# Altium PCB SmartHaloV1_ASCII.PcbDoc (part 2 of 4) (continued)
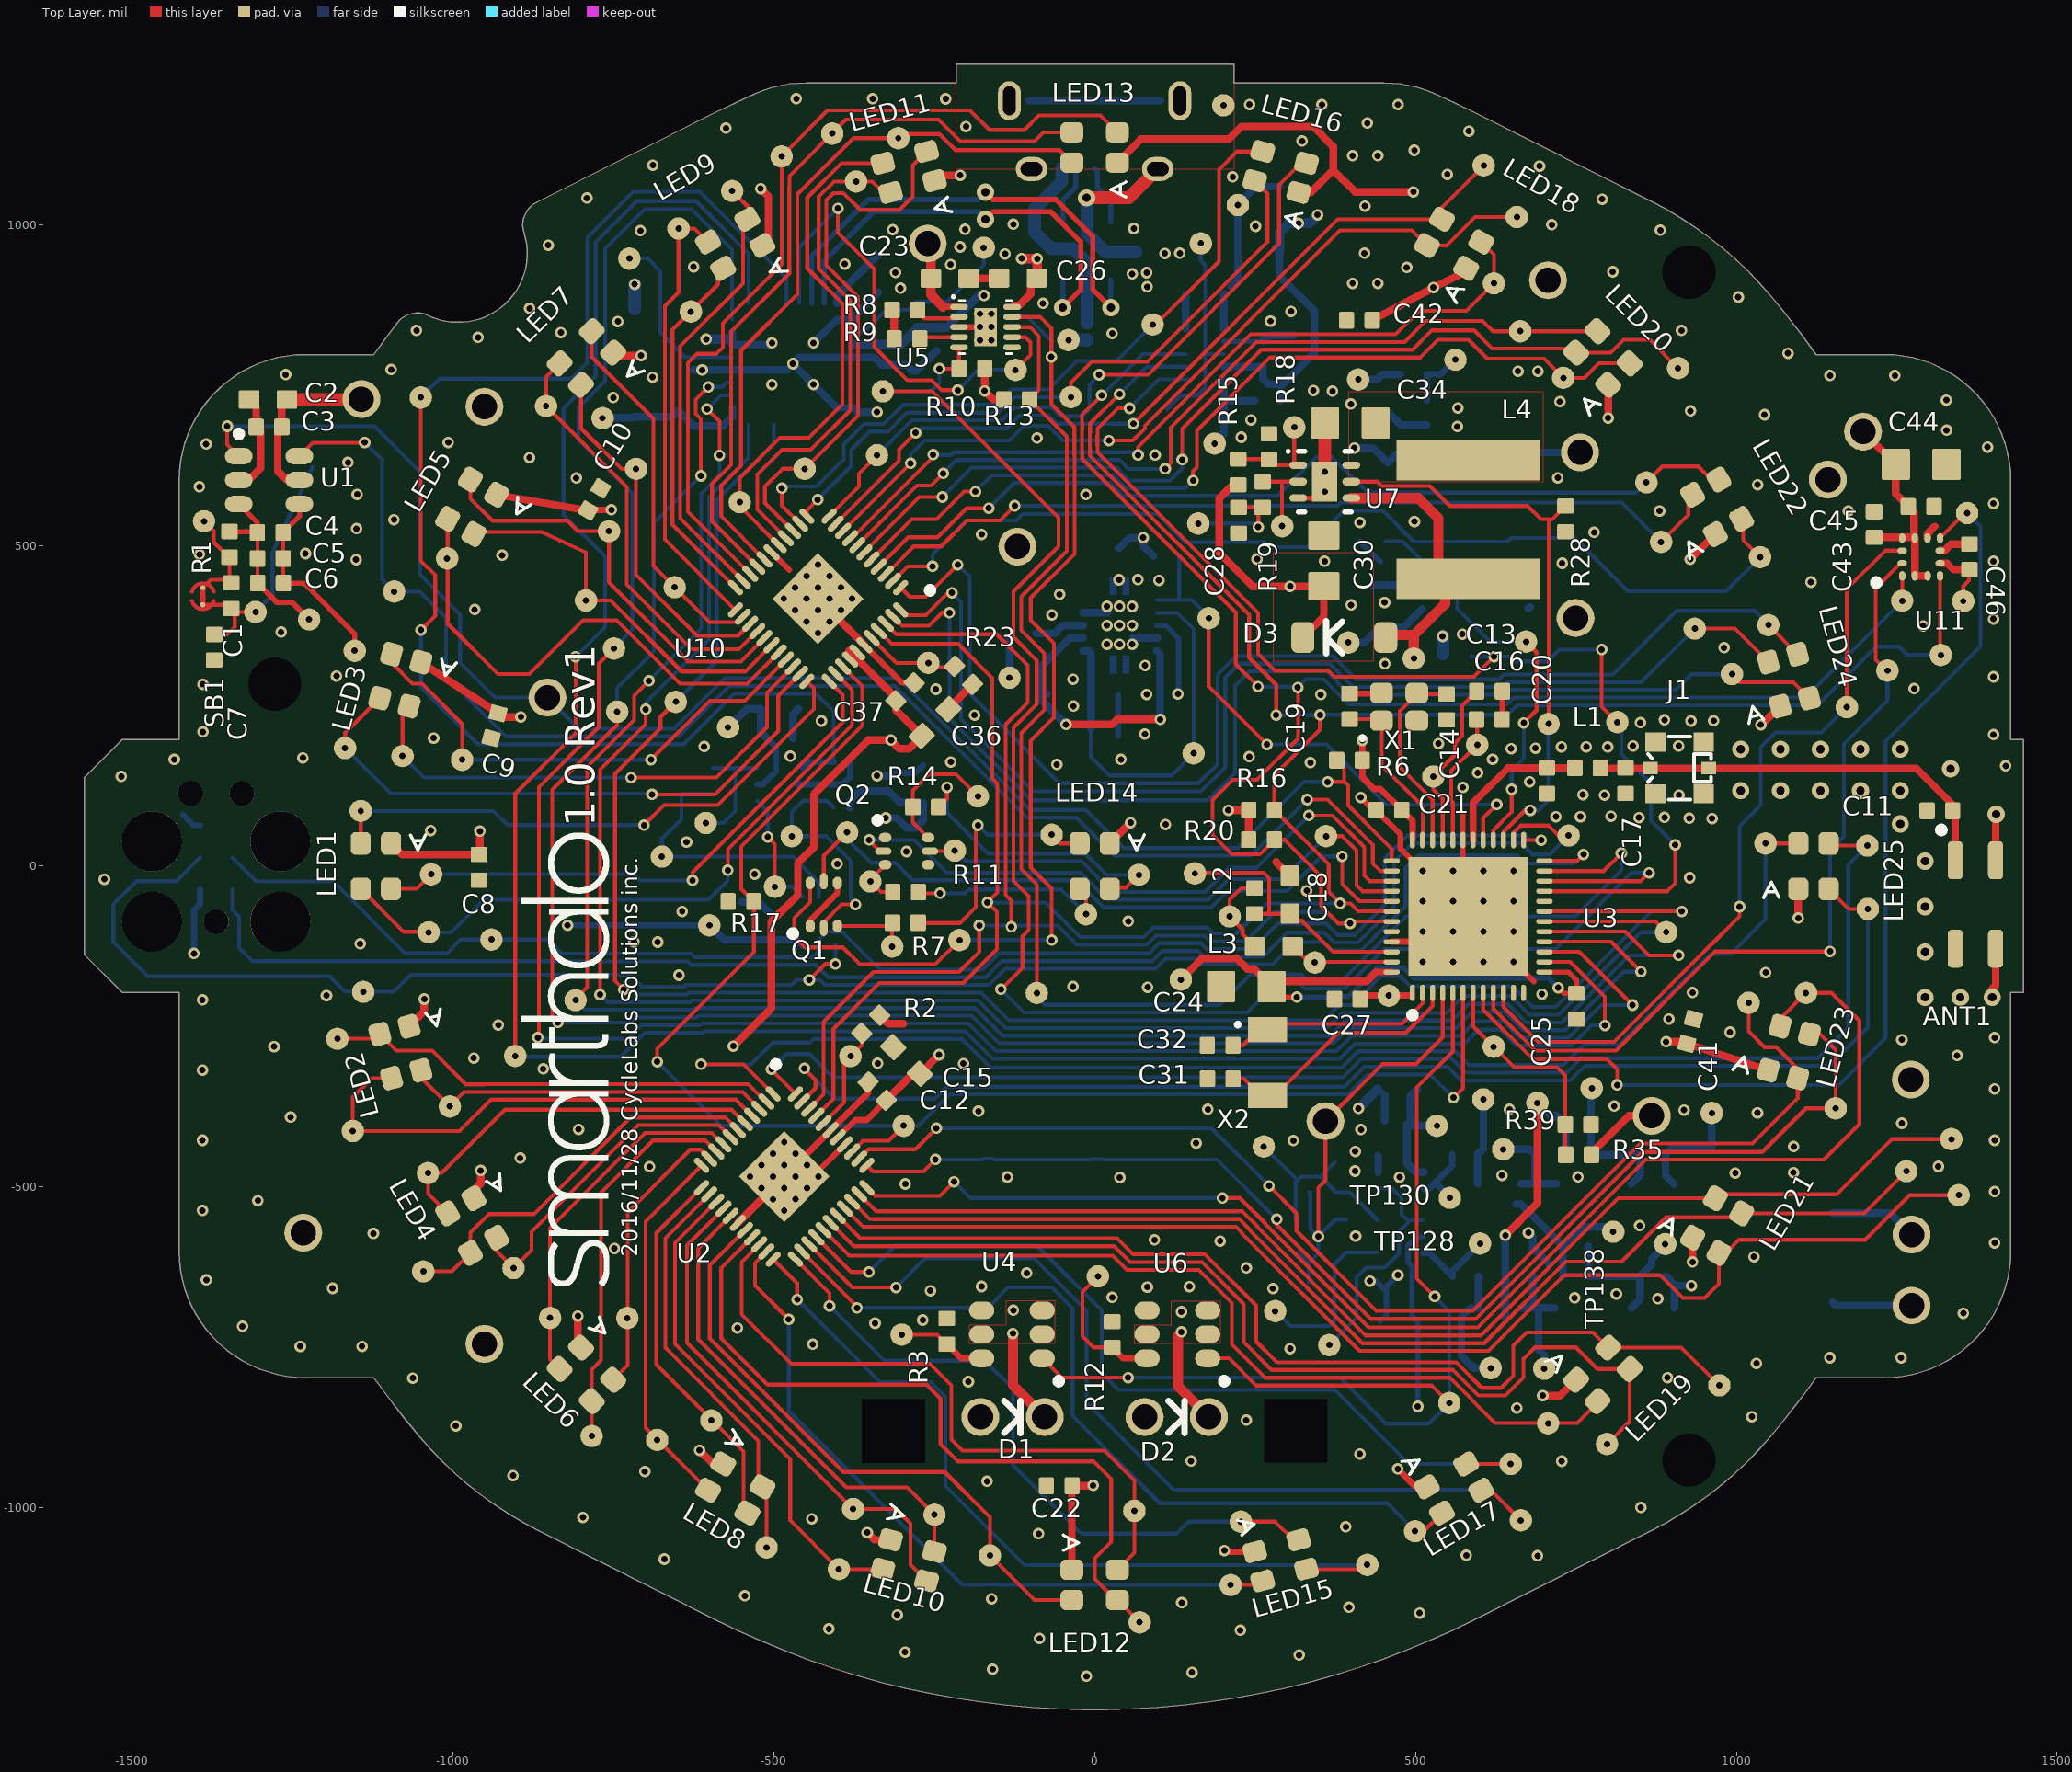
[diagram p0: Top Layer view]
## Part data (continued)
Q1 Q2: "30 V, 200 mA dual N-channel Trench MOSFET"
Q3 Q4: "PNP SMT Transistor, Low VCESAT"
Q5 Q6 Q7 Q8: "NPN SMT Transistor, Low VCESAT"
R1: library part Varitron_RES0402, "2k 0.063W 5%  0402 (1005 Metric)  SMD"
R2 R23: library part Varitron_RES0402, "3k9 0.063W 5%  0402 (1005 Metric)  SMD"
R3 R12: library part Varitron_RES0402, "100R 0.1W 5%  0402 (1005 Metric)  SMD"
R4 R6 R17 R26 R28 R29 R30 R31: library part Varitron_RES0402, "100k 0.063W 5%  0402 (1005 Metric)  SMD"
R5 R21 R22 R25 R42 R43: library part Varitron_RES0402, "3k3 0.063W 5%  0402 (1005 Metric)  SMD"
R7: library part Varitron_RES0402, "160R 0.1W 5%  0402 (1005 Metric)  SMD"
R8: library part Varitron_RES0402, "560R 0.063W 5%  0402 (1005 Metric)  SMD"
R9 R34 R38: library part Varitron_RES0402, "1k 0.063W 5%  0402 (1005 Metric)  SMD"
R10 R13 R19 R32 R40 R41: library part Varitron_RES0402, "10k 0.063W 5%  0402 (1005 Metric)  SMD"
R11 R14: library part Varitron_RES0402, "110R 0.1W 5%  0402 (1005 Metric)  SMD"
R15: library part Varitron_RES0402, "510k 0.063W 5%  0402 (1005 Metric)  SMD"
R16 R20: library part Varitron_RES0402, "4k7 0.063W 5%  0402 (1005 Metric)  SMD"
R18: library part Varitron_RES0402, "33k 0.063W 5%  0402 (1005 Metric)  SMD"
R24 R27: library part Varitron_RES0402, "1k8 0.063W 5%  0402 (1005 Metric)  SMD"
R33 R36 R37 R39: library part Varitron_RES0402, "12k 0.063W 5%  0402 (1005 Metric)  SMD"
R35: library part Varitron_RES0402, "75k 0.063W 5%  0402 (1005 Metric)  SMD"
RSENSE1: library part Varitron_RES0805, "0R01 0.25W 1%  0805 (2012 Metric)  SMD"
RT1: "Thermistor NTC 0402, R0 10k, 1%, B 3490, SMD"
SB1: library part SOLDERBRIDGE_SHORTED, "Shorted Solderbridge"
TP1 TP4 TP12 TP13 TP14 TP15 TP17 TP20: library part TESTPAD_TH_35mils, "Testpoint, through hole, 35 mils"
TP2 TP3 TP5 TP6 TP7 TP8 TP9 TP10 TP11 TP16 TP18 TP19: library part TESTPAD_TH_1_5MM, "Testpoint, through hole, 1.5mm"
TP21 TP100 TP125 TP139 TP140: "Testpoint, through hole, 1.5mm"
TP22 TP23 TP24 TP25 TP26 TP27 TP28 TP29 TP30 TP31 TP32 TP33 TP34 TP35 TP36 TP37 TP38 TP39 TP40 TP41 TP42 TP43 TP44 TP45 TP46 TP47 TP48 TP49 TP50 TP51 TP52 TP53 TP54 TP55 TP56 TP57 TP58 TP59 TP60 TP61 TP62 TP63 TP64 TP65 TP66 TP67 TP68 TP69 TP70 TP71 TP72 TP73 TP74 TP75 TP76 TP77 TP78 TP79 TP80 TP81 TP82 TP83 TP84 TP85 TP86 TP87 TP88 TP89 TP90 TP91 TP92 TP93 TP94 TP95 TP96 TP97 TP98 TP99 TP101 TP102 TP103 TP104 TP105 TP106 TP107 TP108 TP109 TP110 TP111 TP112 TP113 TP114 TP115 TP116 TP117 TP118 TP119 TP120 TP121 TP122 TP123 TP124 TP126 TP127 TP128 TP129 TP130 TP131 TP132 TP133 TP134 TP135 TP136 TP137 TP138 TP141 TP142 TP143 TP144 TP145 TP146 TP147 TP148 TP149 TP150 TP151 TP152 TP153 TP154 TP155 TP156 TP157 TP158 TP159 TP160 TP161 TP162 TP163 TP164 TP165 TP166 TP167 TP168 TP169 TP170 TP171 TP172 TP173 TP174 TP175 TP176 TP177 TP178 TP179: "Testpoint, through hole, 35 mils"
U1: "One-channel Touch Sensor IC with Reset Timer, -40° to +85° C, 6-pin SOT23"
U2 U10: "IC 36 CHANNELS LED DRIVER"
U3: library part nRF52832_QFAA, "Multi-protocol Bluetooth Low Energy and 2.4GHz proprietary system-on-chip"
U4 U6: "10-TO-150MA CONSTANT-CURRENT LED DRIVER"
U5: "800 mA, Single-Input, Single Cell Li-Ion Battery Charger with Auto Start. Vovp=6.6 V, 3.5 V, -40 to 85 degC, 10-pin SON (DSQ), Green (RoHS & no Sb/Br)"
U7: "Boost Voltage Converter with 3 to 18 V Input and 3 to 38 V Output, -40 to 85 degC, 6-Pin SON (DRC), Green (RoHS & no Sb/Br)"
U8 U18 U19: "Dual Inverter Gate"
U9: "IC Dual Inverter with Schmitt Trigger Inputs"
U11: "IC 3D Accelerometer and 3D Magnetometer, LGA-12, 2 x 2 x 1 mm"
U12 U13: "200 mA Low Dropout Regulator, 2 - 5.5V Input, Fixed 2.8V Output"
U14: "IC Battery Fuel Gauge for 1-Cell Lithium-ion (Li+)"
U15: "Boost Voltage Converter with 0.3 to 5.5 V Input and 5 V Output, -40 to 85 degC, 10-Pin SON (DRC), Green (RoHS & no Sb/Br)"
U16: "IC USB TO UART BRIDGE 32QFN"
U17: "Very low capacitance ESD protection"
U20: "IC Gate NAND 1 Channel"
X1: "XTAL 32 MHz, 8pF, 3.2 x 1.5 mm, ±20 ppm Tol, ±200 ppm Drift"
X2: "XTAL 32.768 kHz, 9pF, 3.2 x 1.5 mm, ±20 ppm Tol, ±200 ppm Drift"

## Free pads (board coordinates)
  round 0 hole 82.68 unplated paste+0 mask+0: 0(-1277.49,283.53) 0(926.06,-925.55) 0(926.06,925.75)
  round 0 hole 98.43 square unplated: 0(-313.58,-880.31) 0(313.58,-880.24)

## Via types
v1: diameter 18, hole 10, Top Layer to Bottom Layer, 557 vias
v2: diameter 27, hole 13, Top Layer to Bottom Layer, 24 vias

## Nets (pads, with @x,y where several pads share a name; then routed paths per layer and width w, separated by ;. In a path a pad name is that pad's centre, name@x,y a point inside that pad or via, vN(x,y) a via of type N, cw(c..) or ccw(c..) an arc to the next point about the centre after c; other vN are vias at no path point)
ALARMB: R30.1 TP163.1 U3.21 U14.1 | length 1866.8
  Top Layer w6: v1(54.7,713.6) 36.3,713.6 4.7,682 4.7,671.06 4.4,670.76 4.4,655.84 4.7,655.54 4.7,644.7 254.6,394.8 254.6,331.2 281.2,304.6 364.1,304.6 373.8,294.9 590.8,294.9 v1(622.4,326.5) ; U3.21@700.99,-39.03 892.37,-39.03 904.7,-26.7 v1(904.7,33.2) ; v1@791.1,333.8 794.8,337.5 v1(790.1,337.5) 790.1,248.8 TP163.1@814.5,224.4
  Bottom Layer w6: v1(54.7,713.6) 99.86,758.76 U14.1@145,758.76 ; R30.1@586.9,326.5 v1(622.4,326.5) 646.9,326.5 654.2,319.2 705.8,319.2 724.1,337.5 v1(790.1,337.5) ; TP163.1@814.5,224.4 820.8,218.1 820.8,175 867.1,128.7 867.1,70.8 v1(904.7,33.2)
ANT: ANT1.1 C11.2 C17.2 J1.1 J1.3 L1.2 | length 660.7
  Top Layer w11.21: L1.2@788.3,153 J1.1@865.73,153 J1.3@957.07,153 ; J1.3@957.07,152.8 1280.08,152.8 1341.1,91.78 ANT1.1@1341.1,9.2
B\C\D\0\: Q1.2 TP114.1 U18.6 U19.3 | length 363.8
  Top Layer w6: Q1.2@-422.1,-96.12 -422.1,-87.4 -394.4,-59.7 v1(-372.6,-59.7)
  Bottom Layer w6: U18.6@-406.63,91.2 -417.33,101.9 U19.3@-454.9,101.9 -472,84.8 TP114.1@-472,46.7 -418.1,46.7 -379.9,8.5 -379.9,-52.4 v1(-372.6,-59.7)
BCD0: TP86.1 U16.12 U18.1 U19.1 | length 2237.2
  Top Layer w6: TP86.1@-1050.1,730.5 -1050.1,475.9 -1027.5,453.3 -1027.5,390.2 v1(-1049.8,367.9)
  Bottom Layer w6: TP86.1@-1050.1,730.5 -1020.7,759.9 -815.4,759.9 -790.98,784.32 -790.98,979.42 -719.1,1051.3 -615.2,1051.3 -480.24,916.34 U16.12@-480.24,877.59 ; v1(-1049.8,367.9) -1049.8,278.7 -961.3,190.2 -640.1,190.2 -561.3,269 -434.4,269 -406.63,241.23 U18.1@-406.63,162.2
  Bottom Layer w10: U19.1@-454.9,152.9 -445.6,162.2 U18.1@-406.63,162.2
BCD1: TP148.1 U5.7 U16.13 | length 757.7
  Top Layer w6: v1(-400.1,1025.2) -400.1,987.3 -343.5,930.7 -343.5,809.2 -291.8,757.5 -254.03,757.5 -238.33,741.8 v1(-213.2,741.8) ; U5.7@-128.66,824.45 -108.15,824.45 -100.2,816.5 -100.2,796.6 TP148.1@-123.4,773.4
  Bottom Layer w6: U16.13@-460.56,877.59 -460.56,964.74 v1(-400.1,1025.2) ; v1(-213.2,741.8) -181.6,773.4 -138.2,773.4 TP148.1@-127.7,783.9
BUS_DETECT: R36.1 R37.1 TP151.1 U16.5 | length 280.2
  Bottom Layer w6: TP151.1@-725,947 -696.3,947 -676.7,927.4 R36.1@-676.7,868.3 -676.7,831.4 R37.1@-676.3,831 -638.24,792.94 U16.5@-564.89,792.94
BZ_OUT_N: J2.1 Q3.1 Q3.2 Q3.5 Q3.6 Q7.1 Q7.2 Q7.5 Q7.6 TP140.1 | length 125.6
  Bottom Layer w12: J2.1@1149.84,-679.2 1155.54,-684.9 TP140.1@1273.1,-684.9
BZ_OUT_P: J3.1 Q4.1 Q4.2 Q4.5 Q4.6 Q8.1 Q8.2 Q8.5 Q8.6 TP139.1 | length 137
  Bottom Layer w12: J3.1@1149.84,-541 1239.9,-541 TP139.1@1273.1,-574.2
BZR: D4.1 D4.4 R24.2 R27.2 TP125.1 U3.4 | length 722.5
  Top Layer w6: v1(348.6,-577.2) 348.6,-501 359.7,-489.9 TP125.1@359.7,-397.4 448.4,-308.7 500.1,-308.7 542.53,-266.27 U3.4@542.53,-197.49
  Bottom Layer w6: D4.1@317.11,-602.04 333.62,-618.55 ; R27.2@333.62,-649.26 333.62,-618.55 ; R24.2@334.1,-508 335.95,-508 335.95,-564.55 v1(348.6,-577.2) ; D4.4@391.91,-550.85 374.94,-550.85 v1(348.6,-577.2) ; 333.62,-618.55 348.6,-603.58 v1(348.6,-577.2)
BZR_D_N: R40.2 TP130.1 U8.6 | length 110.1
  Bottom Layer w6: TP130.1@553.5,-516.9 TP130.1@553.5,-515.63
  Bottom Layer w10: U8.6@512.81,-502.37 521.63,-502.37 557,-467 R40.2@557,-448.9 ; 530.93,-493.07 TP130.1@553.5,-515.63
BZR_D_P: R41.2 TP128.1 U9.6 | length 131
  Bottom Layer w10: U9.6@511.65,-602.52 521.02,-602.52 R41.2@558.2,-639.7 558.2,-630.6 TP128.1@600.6,-588.2
C\H\G\: R13.2 TP150.1 U3.23 U5.8 | length 2347
  Top Layer w6: U5.8@-128.66,840.2 -100.9,840.2 -87,826.3 -87,741.8 R13.2@-101.4,727.4 -43.6,669.6 -43.6,491.1 -114.5,420.2 -114.5,367.6 -78.4,331.5 -78.4,243.4 -114.5,207.3 -114.5,-4.3 -90.1,-28.7 TP150.1@-90.1,-197.8 ; U3.23@700.99,-7.53 793.17,-7.53 v1(820.8,20.1)
  Bottom Layer w6: TP150.1@-96,-197.8 -77.6,-216.2 194.93,-216.2 242.33,-168.8 322.23,-168.8 330.63,-177.2 386.14,-177.2 396.46,-166.88 396.69,-166.88 485.47,-78.1 749.39,-78.1 820.8,-6.69 v1(820.8,20.1)
CAPIN: C1.1 C7.1 J6.1 J6.2 J6.3 J6.4 J6.5 J6.6 SB1.2 TP104.1 | length 390.4
  Top Layer w6: SB1.2@-1389.8,407.3 C1.1@-1351.4,407.3 ; C7.1@-1372.1,361.1 -1351.7,361.1 -1339.9,372.9 -1339.9,395.8 C1.1@-1340.2,396.1 ; C1.1@-1345.6,401.5 C1.1@-1340.2,396.1 ; TP104.1@-1307.7,396.1 C1.1@-1340.2,396.1
  Bottom Layer w6: TP104.1@-1307.7,396.1 -1281.2,422.6 -1281.2,488.73 J6.6@-1260.33,533.51 J6.5@-1252.01,551.35 J6.4@-1243.69,569.19 J6.3@-1235.37,587.03 -1227.05,604.86 J6.1@-1218.73,622.71
CATHODE_B: LED14.4 R14.2 TP99.1 | length 468.5
  Top Layer w6: R14.2@-243.3,92.2 -230,105.5 v1(-230,123.1) ; LED14.4@25.3,-37.11 29.11,-33.3 49.3,-33.3 TP99.1@69,-13.6
  Bottom Layer w6: v1(-230,123.1) -230,83.7 -165.9,19.6 -14.5,19.6 18.7,-13.6 TP99.1@69,-13.6
CATHODE_G: LED14.3 R11.2 TP105.1 | length 327.5
  Top Layer w6: R11.2@-274.6,-40.4 -276.4,-42.2 v1(-241,-42.2) ; LED14.3@-23.62,-35.43 -13.5,-45.56 TP105.1@-13.5,-74.9
  Bottom Layer w6: v1(-241,-42.2) -202.5,-42.2 -196.7,-36.4 -52,-36.4 TP105.1@-13.5,-74.9
CATHODE_R: LED14.2 R7.2 TP106.1 | length 399.2
  Top Layer w6: R7.2@-275,-88.2 -274.5,-88.7 -210,-88.7 -185.1,-63.8 -185.1,60.4 v1(-181.8,63.7) ; TP106.1@-67,49.1 -53.33,35.43 LED14.2@-23.62,35.43
  Bottom Layer w6: v1(-181.8,63.7) -167.2,49.1 TP106.1@-67,49.1
CENTRAL_B: Q2.2 TP109.1 U3.40 | length 990.7
  Top Layer w6: v1(-351.4,40.8) -351.4,40 -334.8,23.4 Q2.2@-329.42,23.4 ; TP109.1@360.5,46.7 386.12,46.7 408.2,24.62 408.2,-29.8 417.43,-39.03 U3.40@462.81,-39.03
  Bottom Layer w6: v1(-351.4,40.8) -281.2,40.8 -230.4,-10 -22.1,-10 20.1,-52.2 176.87,-52.2 208.97,-20.1 293.7,-20.1 TP109.1@360.5,46.7
CENTRAL_G: Q2.5 TP107.1 U3.39 | length 863.8
  Top Layer w6: Q2.5@-256.58,23.4 -218.9,23.4 TP107.1@-218,24.3 ; v1(333.8,78.8) 370.99,78.8 420.2,29.59 420.2,-14.5 428.98,-23.28 U3.39@462.81,-23.28
  Bottom Layer w6: TP107.1@-218,24.3 -201.3,7.6 -20.5,7.6 27.2,-40.1 172,-40.1 209.6,-2.5 252.5,-2.5 v1(333.8,78.8)
CENTRAL_R: Q1.5 TP108.1 U3.41 | length 1081.1
  Top Layer w6: Q1.5@-422.1,-23.28 -422.1,16.2 TP108.1@-385.7,52.6 ; v1(385.7,15.3) 385.7,-27.8 412.68,-54.78 U3.41@462.81,-54.78
  Bottom Layer w6: TP108.1@-385.7,52.6 -385.7,42.3 -348.8,5.4 -310.8,5.4 -283.4,-22 -28.5,-22 13.7,-64.2 181.84,-64.2 207.24,-38.8 299.6,-38.8 353.7,15.3 v1(385.7,15.3)
CTS: TP147.1 U3.18 U16.32 | length 2952.9
  Top Layer w6: v1(-770.7,-200.3) -770.7,150.2 -699.6,221.3 v1(-699.6,244.4) ; U3.18@700.99,-86.27 874.07,-86.27 TP147.1@890.7,-102.9
  Bottom Layer w6: v1(-770.7,-200.3) -759.1,-211.9 -630.1,-211.9 -627.4,-209.2 -181.75,-209.2 -138.75,-252.2 362.05,-252.2 385.75,-228.5 548.3,-228.5 574.8,-202 647.86,-202 677.46,-231.6 723.13,-231.6 851.83,-102.9 TP147.1@890.7,-102.9 ; v1(-699.6,244.4) -699.6,254.6 -601.1,353.1 -601.1,575.17 -539.3,636.97 U16.32@-539.3,688.61
DEC1: C27.1 TP167.1 U3.1 | length 71.7
  Top Layer w10: C27.1@419.3,-201.8 TP167.1@458.4,-201.8 490.98,-201.8
DEC2: C16.1 TP165.1 U3.32 | length 204.3
  Top Layer w6: U3.32@558.28,40.69 558.28,99.72 555.9,102.1 555.9,148.8 TP165.1@596.2,189.1 C16.1@596.2,227.3
DEC3: C13.1 TP164.1 U3.33 | length 266
  Top Layer w6: U3.33@542.53,40.69 542.53,104.87 527.8,119.6 TP164.1@527.8,139.8 561.7,173.7 561.7,192.1 572.4,202.8 572.4,249.6 C13.1@595.4,272.6
DEC4: C18.1 L2.1 TP158.1 U3.46 | length 409.8
  Top Layer w6: TP158.1@156.2,-11.2 156.8,-10.6 263.99,-10.6 272.1,-18.71 272.1,-74.3 L2.1@249.1,-74.3 ; 275.6,-74.3 293.5,-74.3 304.3,-85.1 323.2,-85.1 371.62,-133.52 U3.46@462.81,-133.52
EN_2_8V: R29.2 TP162.1 U3.28 U12.3 | length 684.1
  Top Layer w6: U3.28@621.27,40.69 621.27,55.87 649.8,84.4 v1(649.8,119.7) ; v1(668.8,223.4) 688.6,243.2 688.6,333.5 TP162.1@672.3,349.8
  Bottom Layer w6: R29.2@453.2,506.5 479.78,506.5 U12.3@510.56,475.72 542.98,475.72 564.9,453.8 564.9,401.38 616.48,349.8 TP162.1@672.3,349.8 ; v1(649.8,119.7) 657.3,119.7 649.8,112.2 649.8,149.4 668.8,168.4 v1(668.8,223.4)
EN_VLED: R31.2 TP160.1 U3.29 U15.6 | length 856.8
  Top Layer w6: TP160.1@177.8,386.5 177.8,280.2 v1(268.4,189.6) ; U3.29@605.52,40.69 605.52,75.02 v1(626.6,96.1)
  Bottom Layer w6: U15.6@96.97,414.57 151.73,414.57 TP160.1@178.8,387.5 ; 131.8,414.57 R31.2@131.8,482.8 ; v1(268.4,189.6) 361.3,189.6 454.8,96.1 v1(626.6,96.1)
FRONTLED: TP96.1 U3.5 U4.1 U6.1 | length 1779
  Top Layer w6: U4.1@-81.55,-766.9 -51.35,-797.1 v1(52.2,-797.1) ; U6.1@176.18,-767.05 209.45,-767.05 252,-809.6 525.7,-809.6 TP96.1@552.8,-836.7 ; v1(529.9,-670.6) 501.9,-642.6 501.9,-344.9 558.28,-288.52 U3.5@558.28,-197.49
  Bottom Layer w6: v1(52.2,-797.1) 382.4,-797.1 454.2,-868.9 520.6,-868.9 TP96.1@552.8,-836.7 552.8,-693.5 v1(529.9,-670.6)
GND: ANT1.3 ANT1.4 C2.2 C3.2 C7.2 C8.2 C9.2 C10.2 C11.1 C12.2 C13.2 C14.2 C15.2 C16.2 C17.1 C18.2 C19.2 C20.1 C21.2 C22.2 C23.2 C24.2 C25.2 C26.2 C27.2 C28.2 C29.2 C30.2 C31.1 C32.1 C33.2 C34.2 C35.2 C36.2 C37.2 C38.2 C39.2 C40.2 C41.2 C42.2 C43.2 C44.2 C45.2 C46.2 C47.2 C48.2 C49.2 C50.2 C51.2 C52.2 C53.2 C54.2 C55.2 C56.2 C57.2 C58.2 C59.2 C60.2 C61.2 C64.1 C65.2 C66.2 C67.2 C68.2 C69.2 C70.2 C71.2 J1.2 J4.0 J6.0 J7.5 NT6.2 Q1.1 Q1.4 Q2.1 Q2.4 Q7.4 Q8.4 R2.2 R3.1 R8.2 R9.2 R12.1 R17.1 R18.1 R23.2 R28.2 R29.1 R31.1 R33.1 R34.1 R37.2 R39.1 R42.2 R43.1 RSENSE1.1 RT1.1 TP2.1 TP5.1 TP6.1 TP9.1 U1.2 U2.17 U2.37 U2.39 U2.45 U3.31 U3.45 U3.49 U4.4 U5.3 U5.11 U6.4 U7.3 U7.7 U8.2 U8.3 U9.2 U10.17 U10.39 U10.45 U11.6 U11.8 U12.2 U13.2 U14.5 U14.7 U15.4 U15.9 U15.11 U16.4 U16.6 U16.7 U16.17 U16.20 U16.24 U16.33 U18.2 U19.2 U20.3 X1.2 X1.4 | length 4038.9
  Top Layer w8: C15.2@-324.81,-282.08 C15.2@-313.94,-282.08 ; v1(-178.86,840.2) U5.11@-170,840.2 ; U7.3@317.26,573.71 U7.7@341.2,573.71 ; U3.49@574.03,-70.53 U3.31@574.03,40.69 574.03,79.97
  Top Layer w9: U10.17@-503.48,489.08 -476,461.6 ; Q1.1@-443.28,-93.16 -443.28,-84.28 -400.92,-41.92 Q1.4@-400.92,-26.24 ; U2.45@-439.16,-483.7 U2.37@-389.05,-433.59 ; U10.39@-358.72,344.32 -300.25,285.85 C37.2@-281.45,285.85 ; U5.3@-211.34,840.2 v1(-178.86,840.2) ; C19.2@397.1,269.1 X1.4@445.99,269.1 ; v1(414.6,107.1) 434.5,87.2 C21.2@438.8,87.2 476.31,49.69 476.31,27.19 v1(511.03,-7.53) ; C16.2@635.4,228.9 C13.2@635.4,272.6 ; v1(652.77,-149.27) 653.97,-149.27 684.42,-179.72
  Top Layer w10: U2.45@-483.7,-483.7 U2.39@-411.32,-411.32 -353.1,-353.1 C12.2@-353.1,-336.55 C12.2@-353.1,-334.1 ; U3.45@462.81,-117.77 U3.49@542.53,-117.77
  Top Layer w12: U1.2@-1333.78,601.75 -1318.19,601.75 -1300.12,619.82 -1300.12,677.92 C3.2@-1306.7,684.5 -1306.7,716.2 C2.2@-1317.7,727.2 ; U2.17@-556.08,-556.08 U2.45@-483.7,-483.7 ; U10.45@-431.1,416.7 U10.39@-358.72,344.32 ; R2.2@-334.86,-232.1 -321.25,-245.7 -298.3,-245.7 ; R9.2@-312.4,822.1 R8.2@-312.4,863.4 ; C36.2@-227.66,245.68 R23.2@-190.01,283.32 ; C23.2@-203.9,923.6 C23.2@-196.2,915.9 -149.2,915.9 C26.2@-148.9,916.2 ; U5.11@-170,840.2 U5.11@-164.3,845.9 ; C28.2@224.3,519.2 C28.2@228.3,515.2 ; 282.92,6.48 C18.2@304.4,-15 ; U11.8@1297.83,511.43 1297.83,518.33 1309,529.5 ; U11.6@1317.51,491.74 1324.22,491.74 1334.47,502 C46.2@1363.1,502 ; v2(1398.7,-204.5) 1398.7,-191.4 1404.1,-186 ANT1.3@1404.1,-128.6 ; ANT1.4@1404.1,9.2 v2@1404.1,80.18
  Top Layer w20: U7.7@358.6,599.3 C34.2@358.6,690.3
  Bottom Layer w8: U14.7@201.1,817.82 C51.2@261.71,817.82 ; C29.2@440.9,-348 C29.2@443.8,-348 C29.2@452.01,-356.22 ; C40.2@444.8,-710 454.65,-700.15 C38.2@454.65,-662.75
  Bottom Layer w9: -1420.6,80.4 -1403.8,63.6 J7.5@-1393.9,63.6 ; C55.2@36.7,203.1 C53.2@36.7,267.9 ; R29.1@413.2,506.5 444.8,474.9 ; v1(429.1,-646.6) 438.5,-646.6 C38.2@454.65,-662.75 454.65,-655.15 v1(472.6,-637.2)
  Bottom Layer w10: U19.2@-463.6,127.4 U19.2@-454.9,127.4 -393.2,127.4 -381.13,139.47 U18.2@-381.13,162.2 ; C65.2@-313.83,140.8 C65.2@-309.53,145.1 -280.03,145.1 C66.2@-267.33,157.8
  Bottom Layer w12: -625.74,773.26 U16.4@-564.89,773.26 U16.33@-480.24,773.26 ; U16.7@-564.89,832.31 U16.6@-564.89,812.63 U16.33@-499.93,812.63 ; C70.2@-550.17,-55.8 -523.2,-55.8 C69.2@-505.4,-73.6 ; C67.2@-470.4,199.1 -470.4,236.6 C68.2@-461.5,245.5 ; v1(-437.92,815.58) -401.69,851.81 -375.91,851.81 U16.17@-375.91,852 -375.91,855.49 C57.2@-337.1,894.3 ; v1(-339,140.8) C65.2@-313.83,140.8 ; v1(-339,707.6) -369.31,707.6 U16.24@-375.91,714.2 -375.91,714.39 -401.69,714.39 v1(-437.92,750.62) v1(-470.4,783.1) -460.56,792.94 U16.20@-375.91,792.94 -343.84,792.94 C58.2@-332.3,781.4 -293.4,781.4 C56.2@-284,772 -277.8,772 -246.3,803.5 ; U15.4@-18.17,394.89 U15.11@20.22,394.89 ; C54.2@37.4,495.2 54.2,512 v1(75.8,512) 75.8,498.8 R31.1@91.8,482.8 ; U15.11@59.59,355.52 U15.9@97.97,355.52 ; U14.5@142.04,837.5 RSENSE1.1@142.04,891.36 ; C51.2@262.4,818.5 270.9,827 C50.2@310.4,827 ; C48.2@430.6,437.3 431.62,438.32 U12.2@510.56,438.32 ; U8.2@441.81,-476.87 U8.3@441.81,-451.37 ; C33.2@452.01,-396.81 C29.2@452.01,-356.22 ; C52.2@457.18,707.34 476.9,687.62 U13.2@517.65,687.62 ; v1(676.04,-571.4) 682.8,-578.16 R42.2@682.8,-599.1 ; R42.2@685.5,-596.6 708.6,-619.7
  Bottom Layer w15: v1(-605.4,821.4) -566.49,821.4 ; v1(411.2,-377.7) C29.2@440.9,-348
  other v1: -12.7,-1262.6 151.8,-1256.5 -158.9,-1251.6 318.7,-1229.7 -295.3,-1224.8 -85.7,-1203.6 226.9,-1190.9 -414.2,-1188.7 -307.7,-1166.9 506.3,-1163.9 396.3,-1155 135.8,-1147.9 -160.4,-1141.9 -545.1,-1137.1 -670.5,-1080 690.2,-1074.9 579.2,-1074 -87.2,-1040.5 391.5,-1029.6 -440.9,-1017.1 -797.4,-1014.9 851,-999.4 -167.7,-958.8 -906.2,-949.9 -701,-943.5 150.3,-927.3 727.8,-927.4 413.2,-916.1 -995.6,-872.4 236.4,-863.3 1024,-858.1 658,-844.4 -196.7,-803.4 -1062.4,-798 892.8,-797 1031.4,-774.8 1145.6,-766.1 1256.7,-766.1 304.6,-752.1 -1237.9,-748.4 -1141.7,-748.4 -439.3,-745.3 -556.7,-719.8 -1328,-717.2 -342.2,-712.4 -268,-707.4 1353.7,-696.7 877.6,-674.1 747.8,-672.7 27.5,-672.1 812.9,-666.8 -255.9,-661.7 -1187.5,-657.9 277.8,-658.3 82,-656.1 -176.1,-655.1 147.8,-655.3 -1384.3,-644.7 -105.9,-634 236.2,-626.1 1027.3,-608.7 -748.2,-595.9 1402.6,-587.2 195.6,-584.4 93.2,-582.5 406.6,-576.6 -1124,-572.6 849.4,-560.2 -1390.5,-536.65 -483.7,-537.04 -1303.9,-521.4 -501.48,-519.26 -465.91,-519.25 1402.6,-507.2 -448.15,-501.49 -519.26,-501.48 -483.7,-501.46 -295.1,-495.3 -136.1,-484.5 39.2,-485.2 475.2,-484.7 -537.04,-483.7 -501.46,-483.7 -465.94,-483.7 -430.36,-483.7 753.4,-484.4 634.8,-481.9 998.4,-478.4 1088.9,-477.6 405.7,-475.2 -693.6,-468.4 1314.8,-468 -519.25,-465.91 -483.7,-465.94 -448.15,-465.91 -895.3,-454.9 -501.49,-448.15 -465.91,-448.15 406.2,-444.5 1089.2,-437.1 158.1,-431.7 -483.7,-430.36 309.6,-427.8 -1390.5,-427.2 1402.6,-427.2 414.9,-410.6 -804.3,-410.1 1257.9,-400.63 -1253,-391.1 1032.9,-384.3 -181,-381.9 918.6,-380 176.5,-379 646.6,-378.9 809.7,-374.1 1402.6,-347.2 -1390.5,-317.75 -859.4,-315.8 -204.3,-307.7 -338.1,-307.3 -967.6,-299.1 1344.2,-295 -1278.8,-281.2 1257.9,-270.4 1402.6,-267.2 990.1,-258.8 -929.4,-247.7 894.8,-238.3 -1390.5,-208.3 -1197.1,-201.8 697.1,-199.4 931.7,-196.9 82.6,-188.9 -33.7,-187.6 -647.5,-169.9 1045.6,-165.8 511.03,-149.27 558.28,-149.27 605.52,-149.27 -1144.6,-121 -717.8,-117.9 -680.9,-118.3 511.03,-102.02 558.28,-102.02 605.52,-102.02 652.77,-102.02 52.5,-86 -642.8,-70.5 511.03,-54.78 558.28,-54.78 605.52,-54.78 652.77,-54.78 330.5,-38.2 -1543.2,-20.4 927.4,-18 -529.7,-12.5 558.28,-7.53 605.52,-7.53 652.77,-7.53 -401,3.7 -293.3,22.8 -636,37.5 -1034.5,55.7 110.4,64.8 962.2,74.1 926.72,74.6 848.22,75.8 888.1,75.9 719,77.1 757.02,77 805,77.9 760.7,111.5 794.6,110.8 910.7,110.8 573.9,122.8 678.1,131.6 -1517,139.7 596.9,145.6 1419.6,156.2 -58.8,158.5 336.2,161.2 -224,162.5 -1434.3,166.4 40.9,166.3 620.2,166.5 -1233.8,168.7 -474.3,171.2 240.8,170.6 648.9,183.1 687,183.8 -608.6,186.3 727.5,185.9 766.1,186 799.6,185.6 838.8,187.4 910.2,187.4 535.8,190.9 -1030.1,199.6 1400.8,205.1 78.3,205.9 -1389.5,209.2 850.3,223.8 -425.8,226.3 929.1,226.3 964.6,226.7 888.1,228.1 -187.3,235.5 352.3,267.3 81.1,267.6 -247.4,275.8 1277,276.6 -1389.5,283.4 1400.8,295.12 -1181.6,296.5 78.5,312.7 452.4,315.3 980.9,340.5 19.22,345.67 38.9,345.67 58.59,345.67 573.1,361.6 -431.1,363.36 -1267.7,364.7 1291.1,374.4 19.22,375.2 38.9,375.2 58.59,375.2 -448.89,381.15 -413.31,381.15 1400.8,385.14 -66.5,391.5 -466.65,398.91 -431.1,398.94 -395.55,398.91 -966,400 19.22,404.73 38.9,404.73 58.59,404.73 451.8,410.9 -484.44,416.7 -448.86,416.7 -413.34,416.7 -377.76,416.7 -466.66,434.48 -431.1,434.46 -395.55,434.49 1116.1,442.7 100.1,445.3 38,446.3 67.6,446.5 -448.88,452.26 -413.31,452.25 -431.1,470.04 728.7,472.1 358.4,475.1 1400.8,475.16 -1151.1,477.6 253,478.6 -923.3,484.5 -1395,485.9 -1229.82,487.14 -176.1,517.2 778.3,520.4 -1150.4,526 413.4,535.6 498.4,537.1 -1092,540.1 880.3,553.7 1174.7,553.7 1400.8,565.18 -1149.2,579.5 -13.4,579.1 358.6,583.55 -1395,591.2 1033.1,594.5 -807.9,604.9 358.6,615.05 -1163.6,629.15 -880.7,636.8 94.2,640.8 1391.4,653.2 -1384.5,658 -1007.4,660.5 -89.9,667.1 228.5,668.5 1327.7,679.4 565.2,685.1 243.5,695.6 1044,703.6 928.5,709.6 399.4,720.2 724.9,724 1327.3,726.2 -750,730.2 370.7,740.2 340.8,741.3 -502.88,750.62 -688.7,762.2 1145.9,764.6 1247.1,764.6 -1260.6,766.1 659.9,771.5 690.6,771.5 -611.6,773.3 -1096.2,773.9 1080.3,799.5 -502.88,815.58 -178.86,819.53 -161.14,819.53 -960.7,824.2 27.3,830.2 -831.8,831.8 -1056.7,835 914.5,835 -161.14,840.2 -743.1,848.9 274.1,849.4 -178.86,860.87 -161.14,860.87 306.2,864.6 -880.6,869.4 -80.5,877.2 1003,887 -302.7,900.7 81.9,902.9 401.97,908.46 441.34,908.46 58.6,922.9 -310.6,925.3 81.1,925 807.4,926.4 486.5,933 -625.1,934 -389.2,938.4 -224.6,937.8 -139.69,954.3 109.4,955 132.8,955.3 420.4,955.2 -209.6,965.1 -851.4,967.7 -707.9,990.3 881.4,991 -314.7,992 -201.8,992.6 61.2,993.8 250.5,997.4 -126.7,1000.4 712.4,999.8 421.3,1028.7 791,1039.6 -791.4,1041.3 215,1074.3 693.3,1091.1 -688.4,1092.5 401.97,1107.28 441.34,1107.28 498.2,1115.6 323.2,1130.1 583.1,1145.5 -574.7,1150.2 -200.5,1152.7 424.9,1158.1 241.2,1187 354.1,1186.9 472.9,1186.9 -464.8,1196 -346,1196 -231.9,1195.9
  other v2: 1294.17,-204.6 1349.04,-204.6 1294.17,-133.79 1294.17,-62.97 1294.17,7.84 1255.42,66 1404.72,80.8 1006.72,117.8 1068.9,117.8 1131.07,117.8 1193.25,117.8 1255.42,117.8 1333.86,151.67 1006.72,182.3 1068.9,182.3 1131.07,182.3 1193.25,182.3 1255.42,182.3
INT_1_XL: TP64.1 U3.9 U11.12 | length 1309.2
  Top Layer w6: U3.9@621.27,-197.49 621.27,-222.17 686.6,-287.5 812.6,-287.5 967.2,-132.9 v1(1146,-132.9) ; TP64.1@1234.65,304.05 1217,321.7 1217,433.07 1255.99,472.06 U11.12@1258.46,472.06
  Bottom Layer w6: v1(1146,-132.9) 1146,25.2 1167.6,46.8 1167.6,190.3 1235.4,258.1 TP64.1@1235.4,304.8
INT_2_XL: TP65.1 U3.10 U11.11 | length 1226
  Top Layer w6: U3.10@637.02,-197.49 637.02,-219.44 691.28,-273.7 809.43,-273.7 962.23,-120.9 962.4,-120.9 1005,-78.3 v1(1005,-63.2) ; TP65.1@1172.2,247.8 1172.2,431.9 1232.04,491.74 U11.11@1258.46,491.74
  Bottom Layer w6: v1(1005,-63.2) 1005,62 1037.9,94.9 1037.9,185.5 1060.7,208.3 1132.7,208.3 TP65.1@1172.2,247.8
INT_MAG: TP75.1 U3.8 U11.7 | length 1692.7
  Top Layer w6: U3.8@605.52,-197.49 605.52,-223.42 683,-300.9 798.6,-300.9 814.2,-316.5 v1(814.2,-341) ; U11.7@1317.51,511.43 1356.38,550.3 TP75.1@1359.7,550.3
  Bottom Layer w6: v1(814.2,-341) 1159.5,-341 1232.4,-268.1 1232.4,194.1 1380.5,342.2 1380.5,529.5 TP75.1@1359.7,550.3
ISET: R8.1 U5.2 | length 71.6
  Top Layer w6: R8.1@-277.25,865.35 -265.63,853.73 -213.56,853.73 U5.2@-211.34,855.95
NetC1_2: C1.2 R1.2 SB1.1 TP141.1 | length 154.8
  Top Layer w6: SB1.1@-1389.8,433.9 -1377.3,446.4 -1348.2,446.4 R1.2@-1348.2,481.5 -1349.1,481.5 -1373.1,505.5 -1373.1,522.8 TP141.1@-1387.8,537.5
NetC20_2: C20.2 L1.1 U3.30 | length 239.2
  Top Layer w11.21: U3.30@589.77,40.69 589.77,98.87 644,153.1 L1.1@748.3,153.1
NetC28_1: C28.1 R19.2 TP166.1 | length 164.4
  Top Layer w6: C28.1@224.3,559.2 R19.2@261.6,559.2 ; v1(255,528.6) R19.2@255,558.7 ; R19.2@261.7,559.1 R19.2@263,559.1
  Bottom Layer w6: TP166.1@161.5,534 249.6,534 v1(255,528.6)
NetC35_1: C35.1 D4.3 R24.1 TP126.1 U9.3 | length 326.2
  Bottom Layer w6: TP126.1@263.5,-436.9 316.22,-489.62 ; D4.3@317.11,-550.85 313.1,-550.85 313.1,-492.75 316.22,-489.62 ; C35.1@374,-461.8 352,-483.8 ; R24.1@374.1,-508 397.12,-508 U9.3@440.65,-551.52 ; R24.1@374.1,-505.9 352,-483.8 ; 316.22,-489.62 322.04,-483.8 352,-483.8
NetC39_1: C39.1 D4.5 R27.1 TP127.1 U9.1 | length 267.4
  Bottom Layer w6: TP127.1@281.4,-693.5 304.7,-716.8 365.5,-716.8 374.1,-708.2 C39.1@374.1,-690 ; C39.1@373.62,-689.53 R27.1@373.62,-649.26 373.62,-620.32 D4.5@391.91,-602.04 U9.1@440.16,-602.04
NetC46_1: C46.1 TP76.1 U11.5 | length 102.7
  Top Layer w6: TP76.1@1353.6,413 1353.6,436.3 1362.7,445.4 1362.7,461.6 C46.1@1363.1,462
  Top Layer w11: U11.5@1317.51,472.06 1328.74,472.06 1338.8,462 C46.1@1363.1,462
NetC61_1: C61.1 R38.2 TP169.1 U14.10 | length 152
  Bottom Layer w12: TP169.1@187,658.6 201.1,672.7 C61.1@201.1,710.5 U14.10@201.1,758.76 ; 203.7,725.5 R38.2@249.7,725.5
NetC62_1: C62.1 Q5.1 Q5.2 Q5.5 Q5.6 R22.1 TP138.1 | length 241.6
  Bottom Layer w12: 656.8,-526.7 664.5,-526.7 C62.1@729.8,-592 ; R22.1@729.8,-639.1 C62.1@729.8,-592 ; TP138.1@808.2,-569.8 800.8,-562.4 758.1,-562.4 729.8,-590.7 C62.1@729.8,-592